# Altium PCB Layout.PcbDoc (part 2 of 2)
Units mm, origin at the board's own origin, x right, y up, seen from the top; angles counter-clockwise.
Board outline 32 x 36 mm, 6 copper layers (Top Layer, Int1 (GND), Int2 (Sign), Int3 (Sign), Int4 (PWR), Bottom Layer), stack 1.551 mm thick; 100 components, 117 nets, 484 pads, 392 vias.
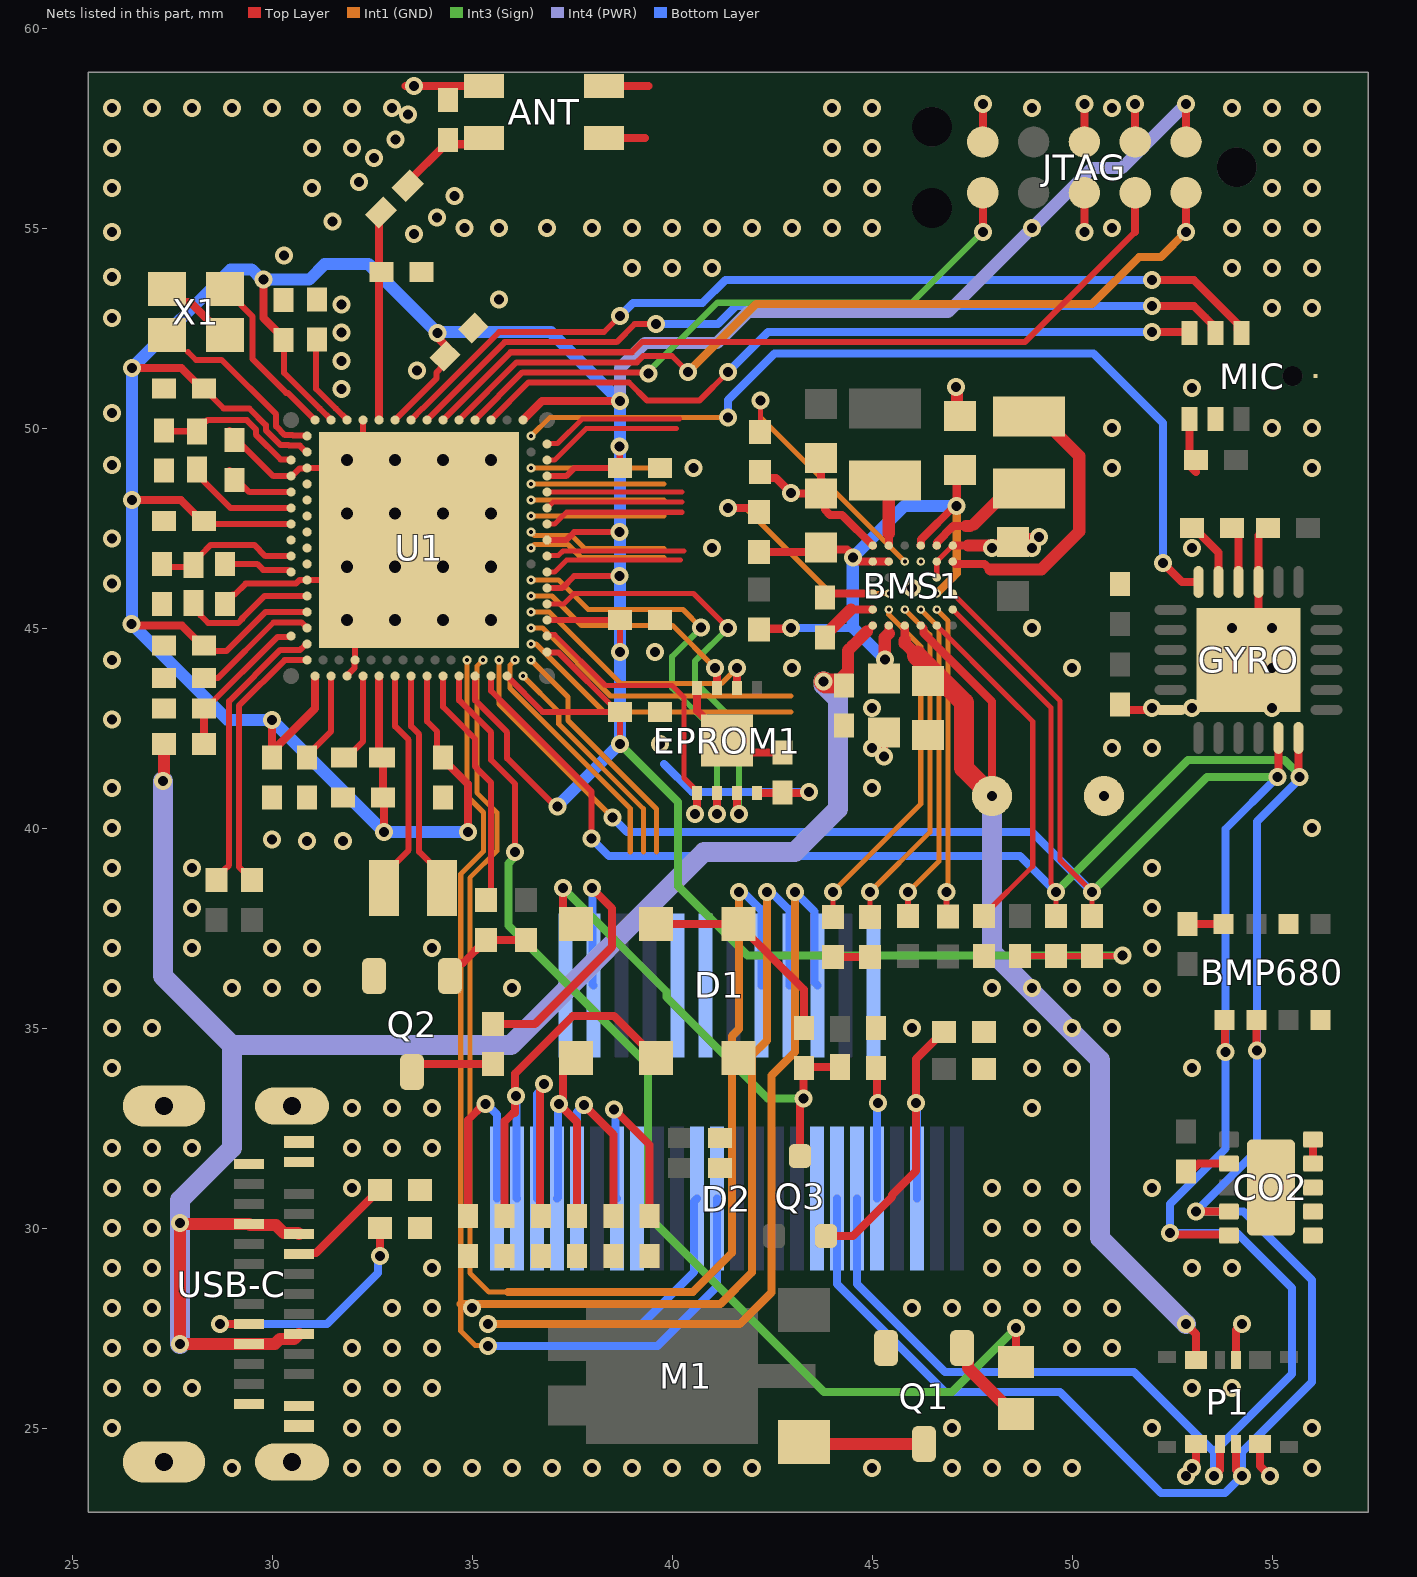
[diagram p6: the nets of this part, all layers, seen from the top]

## Via types
v1: diameter 0.45, hole 0.25, Top Layer to Bottom Layer, tented both sides, 343 vias
v2: diameter 0.2, hole 0.1, Top Layer to Int1 (GND), tented both sides, 33 vias
v3: diameter 0.61, hole 0.305, Top Layer to Bottom Layer, tented both sides, 16 vias

## Nets (pads, with @x,y where several pads share a name; then routed paths per layer and width w, separated by ;. In a path a pad name is that pad's centre, name@x,y a point inside that pad or via, vN(x,y) a via of type N, cw(c..) or ccw(c..) an arc to the next point about the centre after c; other vN are vias at no path point) (continued)
GND: ANT.2 BMP680.1 BMP680.5 BMP680.7 BMS1.A1 BMS1.B2 BMS1.B3 BMS1.F1 BMS1.F4 C1.1 C2.1 C3.1 C4.1 C5.1 C6.1 C7.1 C8.1 C9.1 C10.1 C11.1 C12.1 C13.1 C14.1 C15.1 C16.1 C17.1 C18.1 C19.1 C20.1 C21.1 C22.2 C23.2 C24.2 C25.1 C26.2 C27.2 C28.1 C29.2 C30.2 C31.1 C32.1 C33.1 C34.1 C35.1 C36.1 C37.1 C38.1 C40.2 C41.2 C42.1 C43.2 C60.1 C61.2 C62.1 C63.2 CO2.1 CO2.7 CO2.11 D1.1 D1.5 D1.6 D1.12 D2.8 D2.17 D4.2 EPROM1.4 GND.1 GYRO.9 GYRO.11 GYRO.18 GYRO.25 JTAG.3 JTAG.5 JTAG.9 MIC.1 MIC.2 MIC.4 P1.1 P1.4 Q1.3 Q2.3 R2.2 R5.1 R11.2 R16.2 R17.2 R19.1 R20.1 R22.2 U1.104 U1.A25 U1.B12 U1.B26 U1.G1 U1.H2 U1.J31 USB-C.A1 USB-C.A12 USB-C.B1 USB-C.B12 USB-C.G1 USB-C.G2 USB-C.S1 USB-C.S2 USB-C.S3 USB-C.S4 X1.2 X1.4 | length 50.7
  Top Layer w0.127: BMS1.B3@46.619,46.261 BMS1.B2@46.619,46.661 BMS1.A1@47.019,47.061
  Top Layer w0.152: C4.1@28.829,45.601 28.829,45.651 29.015,45.838 29.065,45.838 29.338,46.11 30.597,46.11 30.685,46.199 U1.B12@30.877,46.199 U1.104@32.677,46.199 ; C3.1@28.94,49.944 28.94,49.894 29.249,49.584 30.034,48.799 U1.A25@30.477,48.799 30.497,48.799 30.683,48.985 30.863,48.985 U1.B26@30.877,48.999 31.877,48.999 U1.104@32.277,48.599 ; U1.G1@31.877,43.799 31.877,43.819 32.063,44.005 32.063,44.185 U1.H2@32.077,44.199 32.077,45.599 U1.104@32.677,46.199 ; U1.J31@32.277,50.199 U1.104@32.277,48.599 ; U1.104@32.277,48.599 U1.104@33.677,47.199 U1.104@32.677,46.199
  Top Layer w0.2: X1.2@27.375,53.475 27.7,53.15 27.95,53.15 28.775,52.325 X1.4@28.825,52.325 ; v1@33.343,58.55 ANT.2@35.3,58.55 ; ANT.2@38.3,57.25 39.323,57.25 ; ANT.2@38.3,58.55 39.418,58.55 ; EPROM1.4@40.628,43.497 40.628,42.935 EPROM1.4@41.378,42.185 41.671,41.892 C60.1@42.757,41.892 ; R11.2@42.2,48.9 42.351,48.749 42.603,48.749 v1(42.974,48.378) 42.995,48.357 C32.1@43.729,48.357 C31.1@43.729,49.255 ; C37.1@43.819,45.761 43.919,45.861 BMS1.F4@45.019,45.861 ; 43.819,47.961 43.952,47.829 44.252,47.829 BMS1.F1@45.019,47.061 ; R17.2@44.021,36.771 R16.2@44.952,36.771 ; C36.1@45.294,42.561 C36.1@45.294,42.386 45.294,41.792 v1(45.304,41.782) ; BMS1.A1@47.019,47.061 47.404,47.061 ; JTAG.9@47.77,57.151 v1(47.77,58.1) ; C33.1@48.516,46.984 48.811,47.279 v1(49.174,47.279) ; JTAG.5@50.31,57.151 v1(50.31,58.1) ; C61.2@51.2,43.084 51.331,42.953 GYRO.18@52.464,42.953 ; JTAG.3@51.58,57.151 v1(51.58,58.1) ; v1(52.85,23.8) 53.1,24.05 P1.1@53.1,24.6 ; MIC.1@52.937,50.225 52.937,49.063 53.1,48.9 ; C28.1@53,31.397 53,31.447 53.166,31.613 CO2.7@53.924,31.613 ; C30.2@53,37.6 BMP680.5@53.793,37.6 ; C63.2@53,47.5 53.05,47.5 53.664,46.886 GYRO.11@53.664,46.153 ; GYRO.25@54.414,44.203 54.664,44.453 GYRO.9@54.664,46.153 54.664,47.314 54.85,47.5 C62.1@54.9,47.5 ; P1.4@54.7,24.6 54.7,24.05 v1(54.95,23.8)
  Top Layer w0.3: v1(47.098,51.029) 47.127,51 47.127,50.375 C34.1@47.198,50.304 ; 47.404,47.061 48.459,47.061 C33.1@48.554,47.157
  other v1: 29,24 32,24 33,24 34,24 35,24 36,24 37,24 38,24 39,24 40,24 41,24 42,24 45,24 47,24 48,24 49,24 50,24 53,24 56,24 26,25 32,25 33,25 47,25 52,25 56,25 26,26 27,26 28,26 32,26 33,26 34,26 53,26 54,26 26,27 27,27 32,27 33,27 34,27 50,27 51,27 26,28 27,28 33,28 34,28 35,28 46,28 47,28 48,28 49,28 50,28 51,28 26,29 27,29 34,29 48,29 49,29 50,29 53,29 54,29 26,30 27,30 48,30 49,30 50,30 26,31 27,31 32,31 48,31 49,31 50,31 52,31 26,32 27,32 28,32 32,32 33,32 34,32 32,33 33,33 34,33 49,33 26,34 49,34 50,34 53,34 26,35 27,35 46,35 49,35 50,35 51,35 26,36 29,36 30,36 31,36 36,36 48,36 49,36 50,36 51,36 52,36 26,37 28,37 30,37 31,37 34,37 52,37 26,38 28,38 52,38 26,39 28,39 52,39 30.877,39.678 31.777,39.681 30,39.716 26,40 56,40 50.8,40.8 26,41 45,41 45,42 51,42 52,42 39.7,42.103 26,42.707 45,43 52,43 53,43 55,43 43,44 50,44 55,44 26,44.199 39.573,44.399 49,45 54,45 55,45 46,46 26,46.11 41,47 48,47 49,47 53,47 26,47.241 40.542,48.999 51,49 56,49 26,49.071 51,50 55,50 56,50 26,50.376 31.735,50.976 53,51 33.619,51.436 31.735,51.68 31.735,52.384 26,52.748 55,53 56,53 31.735,53.088 35.678,53.21 26,53.773 39,54 40,54 41,54 54,54 55,54 56,54 30.3,54.319 33.552,54.848 26,54.9 34.818,55 35.678,55 36.877,55 38,55 39,55 40,55 41,55 42,55 43,55 44,55 45,55 49,55 51,55 54,55 55,55 56,55 31.508,55.163 34.125,55.257 34.568,55.804 26,56 31,56 44,56 45,56 55,56 56,56 32.177,56.154 32.555,56.748 26,57 31,57 32,57 44,57 45,57 55,57 56,57 33.087,57.209 33.398,57.84 26,58 27,58 28,58 29,58 30,58 31,58 32,58 33,58 44,58 45,58 49,58 51,58 54,58 55,58 56,58 33.552,58.55
  other v3: 31.877,45.199 33.077,45.199 34.277,45.199 35.477,45.199 31.877,46.532 33.077,46.532 34.277,46.532 35.477,46.532 31.877,47.866 33.077,47.866 34.277,47.866 35.477,47.866 31.877,49.199 33.077,49.199 34.277,49.199 35.477,49.199
ICS: BMS1.E5 R17.1 | length 8.9
  Top Layer w0.127: R17.1@44.021,37.771 v1(44.021,38.4)
  Int1 (GND) w0.127: v1(44.021,38.4) 46.219,40.599 46.219,44.537 45.419,45.337 v2(45.419,45.461)
ILIM: BMS1.D5 R16.1 | length 8.6
  Top Layer w0.127: R16.1@44.952,37.771 v1(44.952,38.4)
  Int1 (GND) w0.127: v1(44.952,38.4) 46.446,39.894 46.446,44.834 v2(45.819,45.461)
INT1: CO2.3
INT2: GYRO.12 U1.AK30 | length 22.2
  Top Layer w0.2: v1(52.274,46.628) 52.749,46.153 GYRO.12@53.164,46.153
  Int1 (GND) w0.127: v2(36.477,49.799) 36.942,50.264 v1(41.4,50.264)
  Bottom Layer w0.2: v1(41.4,50.264) 41.4,50.7 42.563,51.863 50.537,51.863 52.274,50.126 v1(52.274,46.628)
INT4: P1.6 | length 1
  Top Layer w0.2: P1.6@54.1,26.7 54.1,27.45 v1(54.25,27.6)
IPS_BACKLIGHT: R7.1 U1.W1 | length 6.1
  Top Layer w0.152: U1.W1@34.277,43.799 34.277,43.026 35.077,42.226 35.077,41.534 35.477,41.134 35.477,38.327 R7.1@35.35,38.2
IPS_CS: D1.8 U1.AD2 | length 34.8
  Int1 (GND) w0.127: v2(35.277,44.199) 35.122,44.044 35.122,40.885 35.623,40.383 35.623,39.432 34.945,38.753 34.945,28.875 35.42,28.4 35.9,28.4
  Int1 (GND) w0.2: 35.9,28.4 40.52,28.4 41.5,29.38 41.5,34.8 41.678,34.978 v1(41.678,38.4)
  Bottom Layer w0.2: v1(41.678,38.4) 41.777,38.4 42.202,37.975 42.231,37.975 42.238,37.968 D1.8@42.238,36.068
LRCLK: MIC.5 U1.R31 | length 22.8
  Top Layer w0.152: U1.R31@33.477,50.199 33.477,50.207 33.757,50.488 33.766,50.488 35.678,52.4 38.3,52.4 v1(38.7,52.8)
  Top Layer w0.2: v1(52,53.7) 53.045,53.7 54.137,52.608 54.137,52.475 MIC.5@54.237,52.375
  Bottom Layer w0.2: v1(38.7,52.8) 39.023,53.123 40.757,53.123 41.334,53.7 v1(52,53.7)
M\R\: BMS1.E4 R15.2 | length 5.7
  Top Layer w0.127: R15.2@42.079,48 R15.2@42.179,47.9
  Top Layer w0.2: v1(41.4,48) R15.2@42.079,48
  Int1 (GND) w0.127: v1(41.4,48) 41.834,48 43.973,45.861 v2(45.419,45.861)
Motor: R6.1 U1.AA1 | length 28.1
  Top Layer w0.152: U1.AA1@34.677,43.799 34.677,43.191 35.477,42.391 35.477,41.7 36.077,41.1 v1(36.077,39.404)
  Top Layer w0.2: R6.1@48.6,26.65 v1(48.6,27.5)
  Int3 (Sign) w0.2: v1(36.077,39.404) 36.029,39.356 36.029,39.232 35.912,39.114 35.912,37.563 39.4,34.075 39.4,30.3 43.8,25.9 47,25.9 v1(48.6,27.5)
NetANT_1: ANT.1 C21.2 L4.1 | length 2.3
  Top Layer w0.203: L4.1@33.451,56.205 34.247,57.002 34.252,57.002 34.338,57.088 34.338,57.093 35.252,57.093 ANT.1@35.315,57.155
NetBMS1_D2: BMS1.D2 R11.1 | length 6.3
  Top Layer w0.127: R11.1@42.2,49.9 42.217,49.917 v1(42.217,50.686)
  Int1 (GND) w0.127: v1(42.217,50.686) 42.217,50.264 v2(45.819,46.661)
NetC1_2: C1.2 R1.1 U1.A5 | length 3.8
  Top Layer w0.152: C1.2@28.3,42.989 28.35,42.989 30.141,44.78 30.439,44.78 30.457,44.799 U1.A5@30.477,44.799
  Top Layer w0.2: R1.1@28.3,42.1 C1.2@28.3,42.989
NetC2_2: C2.2 U1.B6 | length 3.3
  Top Layer w0.152: C2.2@28.218,43.751 28.651,43.751 30.037,45.138 30.738,45.138 U1.B6@30.877,44.999
NetC3_2: C3.2 U1.A23 | length 1.8
  Top Layer w0.152: C3.2@28.94,48.944 28.94,48.894 29.434,48.399 U1.A23@30.477,48.399
NetC4_2: C4.2 U1.A13 | length 1.7
  Top Layer w0.152: C4.2@28.829,46.601 29.629,46.601 29.779,46.451 30.405,46.451 30.457,46.399 U1.A13@30.477,46.399
NetC6_2: C6.2 L1.1 U1.A27 | length 3.8
  Top Layer w0.152: C6.2@27.3,49.944 27.325,49.919 L1.1@28.12,49.919 28.12,49.994 28.294,50.167 28.354,50.167 28.383,50.196 29.368,50.196 29.596,49.968 29.596,49.834 30.217,49.213 30.463,49.213 U1.A27@30.477,49.199
NetC7_2: C7.2 U1.G31 | length 2.4
  Top Layer w0.152: C7.2@31.1,52.24 31.1,50.982 31.595,50.488 31.597,50.488 31.877,50.207 U1.G31@31.877,50.199
NetC9_2: C9.2 L2.1 U1.A15 | length 3.6
  Top Layer w0.152: C9.2@27.247,46.522 28.034,46.522 28.034,46.647 28.212,46.825 28.464,47.077 29.555,47.077 29.834,46.799 U1.A15@30.477,46.799
NetC11_2: C11.2 U1.E1 | length 2.3
  Top Layer w0.152: C11.2@30.877,41.767 30.877,41.817 31.477,42.417 U1.E1@31.477,43.799
NetC20_2: C20.2 L4.2 U1.L31 | length 5.2
  Top Layer w0.203: U1.L31@32.677,50.199 C20.2@32.677,53.9 ; L4.2@32.724,55.387 32.671,55.334 32.671,53.965 C20.2@32.736,53.9
NetC23_1: C23.1 D2.18 | length 5.3
  Top Layer w0.2: v1(38.55,32.968) 39.443,32.076 C23.1@39.443,30.3
  Bottom Layer w0.2: v1(38.55,32.968) 38.587,32.931 38.587,30.771 D2.18@38.624,30.734
NetC24_1: C24.1 D2.20 | length 5.5
  Top Layer w0.2: v1(37.8,33.076) 38.535,32.341 C24.1@38.535,30.3
  Bottom Layer w0.2: D2.20@37.624,30.734 37.624,32.9 v1(37.8,33.076)
NetC26_1: C26.1 D2.22 | length 6.3
  Top Layer w0.2: C26.1@36.72,30.3 36.696,30.324 36.696,33.429 36.8,33.532 v1(36.8,33.6)
  Bottom Layer w0.2: D2.22@36.624,30.734 36.624,33.356 36.8,33.532 v1(36.8,33.6)
NetC29_1: C29.1 D2.24 | length 5.5
  Top Layer w0.2: C29.1@34.905,30.3 34.905,32.705 35.3,33.1 v1(35.333,33.1)
  Bottom Layer w0.2: v1(35.333,33.1) 35.358,33.1 35.624,32.834 D2.24@35.624,30.734
NetC39_1: C39.1 D3.2 D4.1 | length 5.3
  Top Layer w0.2: D3.2@39.6,37.6 D4.1@41.657,37.6 43.3,35.957 C39.1@43.3,35
NetC39_2: C39.2 D5.1 L7.2 Q3.3 | length 12.5
  Top Layer w0.2: v1(37.275,38.5) 37.275,37.925 D5.1@37.6,37.6 ; Q3.3@43.2,31.8 43.2,33.156 v1(43.284,33.24) 43.292,33.248 43.292,33.992 C39.2@43.3,34 43.325,34.025 L7.2@44.2,34.025
  Int3 (Sign) w0.2: v1(37.275,38.5) 39.858,35.917 39.858,35.775 42.392,33.24 v1(43.284,33.24)
NetC42_2: C42.2 D2.5 | length 3.3
  Top Layer w0.2: C42.2@45.1,34 45.122,33.978 45.122,33.152 v1(45.144,33.13)
  Bottom Layer w0.2: D2.5@45.124,30.734 45.124,33.111 v1(45.144,33.13)
NetC63_1: C63.1 GYRO.10 | length 1.4
  Top Layer w0.2: C63.1@54,47.5 54.014,47.5 54.164,47.35 GYRO.10@54.164,46.153
NetCO2_4: CO2.4 CO2.5 | length 0.6
  Top Layer w0.2: CO2.4@56.024,31.613 CO2.5@56.024,32.213
NetD1_2: D1.2 R18.2 | length 7.9
  Top Layer w0.2: R18.2@35.524,35.1 36.575,35.1 38.5,37.025 38.5,37.994 v1(37.994,38.5)
  Bottom Layer w0.2: v1(37.994,38.5) 38.016,38.478 38.016,36.09 D1.2@38.038,36.068
NetL1_2: L1.2 U1.A21 | length 2.8
  Top Layer w0.152: L1.2@28.12,48.969 28.294,48.795 28.294,48.672 28.966,47.999 U1.A21@30.477,47.999
NetL2_2: L2.2 U1.B10 | length 3.4
  Top Layer w0.152: L2.2@28.034,45.572 28.212,45.395 28.212,45.32 28.407,45.125 29.152,45.125 29.255,45.228 29.255,45.246 29.808,45.799 U1.B10@30.877,45.799
NetL3_1: L3.1 U1.J1 | length 2.3
  Top Layer w0.152: L3.1@31.802,41.767 31.877,41.767 32.277,42.167 U1.J1@32.277,43.799
NetM1_1: M1.1 Q1.2 | length 3
  Top Layer w0.3: M1.1@43.3,24.65 43.35,24.6 Q1.2@46.3,24.6
NetQ1_1: Q1.1 R6.2 | length 2.2
  Top Layer w0.3: Q1.1@47.25,27 47.4,26.85 47.4,26.5 48.3,25.6 48.35,25.6 R6.2@48.6,25.35
NetQ2_1: Q2.1 R7.2 R21.2 | length 2.3
  Top Layer w0.2: Q2.1@34.45,36.3 34.45,36.423 34.646,36.619 34.769,36.619 R7.2@35.35,37.2 R21.2@36.35,37.2
NetQ2_2: Q2.2 R18.1 | length 2.1
  Top Layer w0.2: Q2.2@33.5,33.9 33.5,33.904 33.696,34.1 R18.1@35.524,34.1
NetR2_1: R2.1 USB-C.B5 | length 6.3
  Top Layer w0.2: v1(28.7,27.6) USB-C.B5@29.425,27.6 ; v1(32.7,29.3) R2.1@32.7,30
  Bottom Layer w0.2: v1(28.7,27.6) 31.376,27.6 32.652,28.876 32.652,29.252 v1(32.7,29.3)
NetR5_2: R5.2 USB-C.A5 | length 2.7
  Top Layer w0.2: USB-C.A5@30.675,29.35 30.7,29.375 31.1,29.375 32.675,30.95 R5.2@32.7,30.95
NetU1_B30: U1.B30 X1.3 | length 4
  Top Layer w0.152: 27.9,51.9 28.1,51.7 28.742,51.7 30.101,50.341 30.101,50.043 30.321,49.823 30.516,49.823 30.526,49.813 30.863,49.813 U1.B30@30.877,49.799
NetU1_C31: U1.C31 X1.1 | length 4.3
  Top Layer w0.152: X1.1@28.825,53.475 28.875,53.475 29.224,53.126 29.224,53.076 29.514,52.786 29.514,51.721 30.357,50.878 30.398,50.878 U1.C31@31.077,50.199
NetU1_N1: U1.N1 X2.2 | length 5.4
  Top Layer w0.152: X2.2@32.752,38.784 33.415,39.446 33.415,42.203 33.077,42.54 U1.N1@33.077,43.799
NetU1_R1: U1.R1 X2.1 | length 5.6
  Top Layer w0.152: U1.R1@33.477,43.799 33.477,42.54 33.677,42.34 33.677,39.404 33.951,39.13 33.951,38.751 X2.1@34.202,38.5
P0.08: U1.AH2 | length 6.1
  Int1 (GND) w0.127: v2(36.077,44.199) 35.95,44.072 35.95,43.496 38.957,40.489 38.957,39.4
P0.09: U1.AJ1 | length 5.6
  Int1 (GND) w0.127: v2(36.277,43.799) 37.169,42.907 37.169,42.598 39.284,40.483 39.284,39.4
P0.10: U1.AK2 | length 6.1
  Int1 (GND) w0.127: v2(36.477,44.199) 37.4,43.276 37.4,42.688 39.611,40.477 39.611,39.4
P0.11: U1.AK4 | length 7.2
  Int1 (GND) w0.127: v2(36.477,44.599) 36.6,44.599 38.299,42.9 42.974,42.9
P0.12: U1.AK6 | length 7.2
  Int1 (GND) w0.127: v2(36.477,44.999) 36.766,44.999 38.465,43.3 42.974,43.3
P0.19: U1.AL13 | length 3.5
  Top Layer w0.127: U1.AL13@36.877,46.399 37.066,46.399 37.367,46.7 40.205,46.7
P0.20: U1.AK16 | length 3.5
  Int1 (GND) w0.127: v2(36.477,46.999) 36.563,47.086 37.4,47.086 37.724,46.761 39.8,46.761
P0.21: U1.AL15 | length 3.5
  Top Layer w0.127: U1.AL15@36.877,46.799 36.896,46.818 37.163,46.818 37.273,46.927 40.299,46.927
P0.22: U1.AK18 | length 3.5
  Int1 (GND) w0.127: v2(36.477,47.399) 36.563,47.313 37.494,47.313 37.818,46.988 39.8,46.988
P0.23: U1.AK20 | length 3.3
  Int1 (GND) w0.127: v2(36.477,47.799) 39.8,47.799
P0.24: U1.AL27 | length 3.6
  Top Layer w0.127: U1.AL27@36.877,49.199 37.066,49.199 37.854,49.987 40.108,49.987
P0.26: U1.AL29 | length 3.6
  Top Layer w0.127: U1.AL29@36.877,49.599 36.891,49.613 37.123,49.613 ; 37.139,49.612 37.754,50.227 40.189,50.227
P0.30: U1.B24
P0.31: U1.B22
P1.04: U1.AL19 | length 3.5
  Top Layer w0.127: U1.AL19@36.877,47.599 37.066,47.599 37.361,47.894 40.255,47.894
P1.05: U1.AK22 | length 3.3
  Int1 (GND) w0.127: v2(36.477,48.199) 39.8,48.199
P1.06: U1.AL21 | length 3.4
  Top Layer w0.127: U1.AL21@36.877,47.999 37.025,48.147 40.255,48.147
P1.07: U1.AK24 | length 3.3
  Int1 (GND) w0.127: v2(36.477,48.599) 39.8,48.599
P1.08: U1.AL23 | length 3.4
  Top Layer w0.127: U1.AL23@36.877,48.399 37.066,48.399 40.255,48.399
P1.09: U1.AK26 | length 3.3
  Int1 (GND) w0.127: v2(36.477,48.999) 39.8,48.999
P1.11: U1.B20
P1.12: U1.B18
P1.13: U1.A17
P1.14: U1.B16
P1.15: U1.B14
PGOOD1: BMS1.B5 R12.2 | length 7.8
  Top Layer w0.152: R12.2@46.86,37.971 v1(46.86,38.4) v1@46.86,38.549
  Int1 (GND) w0.127: v2(46.619,45.461) 46.9,45.18 46.9,38.44 v1(46.86,38.4)
PGOOD2: BMS1.C5 R13.2 | length 8.2
  Top Layer w0.152: R13.2@45.9,37.944 v1@45.9,38.544 ; v1@45.9,38.549 v1@45.9,38.544 ; v1@45.905,38.549 v1@45.9,38.544
  Int1 (GND) w0.127: v1(45.905,38.4) 46.673,39.168 46.673,45.007 v2(46.219,45.461)
PREVGH: C40.1 D2.21 D5.2 | length 6.7
  Top Layer w0.2: D5.2@37.6,34.25 37.275,33.925 37.275,33.267 37.175,33.168 v1(37.175,33.1) 37.628,32.648 C40.1@37.628,30.3
  Bottom Layer w0.2: D2.21@37.124,30.734 37.15,30.76 37.15,33.074 v1(37.175,33.1)
PREVGL: C27.1 D2.23 D3.1 | length 10.8
  Top Layer w0.2: C27.1@35.812,30.3 35.812,32.671 35.822,32.671 36.022,32.87 36.074,32.87 ; 36.074,32.932 36.074,33.274 v1(36.1,33.3) ; v1@36.074,33.246 36.074,33.516 36.075,33.517 36.075,33.858 37.517,35.3 38.55,35.3 D3.1@39.6,34.25
  Bottom Layer w0.2: v1(36.1,33.3) 36.112,33.288 36.112,30.746 D2.23@36.124,30.734
QSPI_DATA0: EPROM1.5 U1.AL5 | length 7.2
  Top Layer w0.127: U1.AL5@36.877,44.799 36.896,44.818 36.965,44.818 36.979,44.832 37.068,44.832 38.339,43.561 40,43.561 40.299,43.262 40.299,41.251 40.628,40.922 EPROM1.5@40.628,40.872
  Top Layer w0.2: v1(40.578,40.35) 40.628,40.4 EPROM1.5@40.628,40.872
QSPI_DATA1: EPROM1.2 U1.AK8 | length 6.6
  Top Layer w0.2: EPROM1.2@41.628,43.497 v1(41.628,44)
  Int1 (GND) w0.127: v2(36.477,45.399) 36.931,45.399 38.719,43.612 41.239,43.612 v1(41.628,44)
QSPI_DATA2: EPROM1.3 U1.AK10 | length 5.9
  Top Layer w0.2: v1(41.078,44) 41.128,43.95 EPROM1.3@41.128,43.497
  Int1 (GND) w0.127: v2(36.477,45.799) 37,45.799 37.738,45.061 40.016,45.061 v1(41.078,44)
QSPI_DATA3: EPROM1.7 U1.AL9 | length 11
  Top Layer w0.127: U1.AL9@36.877,45.599 37.292,45.599 37.554,45.861 40.538,45.861 v1(41.4,44.999)
  Top Layer w0.2: EPROM1.7@41.628,40.872 41.628,40.4 v1(41.678,40.35)
  Int3 (Sign) w0.152: v1(41.4,44.999) 40.578,44.177 40.578,43.641 41.678,42.541 v1(41.678,40.35)
QSPI_SCK: EPROM1.6 U1.AK12 | length 10.7
  Top Layer w0.2: v1(41.128,40.35) EPROM1.6@41.128,40.872
  Int3 (Sign) w0.152: v1(40.726,45.008) 40,44.282 40,43.5 41.128,42.372 v1(41.128,40.35)
  Int1 (GND) w0.127: v2(36.477,46.199) 37.166,46.199 37.903,45.461 40.272,45.461 v1(40.726,45.008)
RESE: D2.3 Q3.2 R20.2 | length 9.1
  Top Layer w0.2: Q3.2@43.85,29.8 44.525,29.8 45.5,30.775 45.5,30.825 46.099,31.424 v1(46.099,33.13) ; v1(46.099,33.13) 46.099,34.224 46.775,34.9 R20.2@46.8,34.9
  Bottom Layer w0.2: D2.3@46.124,30.734 v1@46.124,33.105
  Bottom Layer w0.3: v1(46.099,33.13) v1@46.124,33.105
RESET: JTAG.10 U1.AC31 | length 15.7
  Top Layer w0.152: U1.AC31@35.077,50.199 35.077,50.207 36.26,51.39 39.376,51.39 v1(39.406,51.36)
  Top Layer w0.2: v1(47.77,54.905) JTAG.10@47.77,55.881
  Int3 (Sign) w0.152: v1(39.406,51.36) 39.406,51.406 41.133,53.133 45.997,53.133 v1(47.77,54.905)
RST: CO2.2
SCK: MIC.6 U1.U31 | length 21.6
  Top Layer w0.152: U1.U31@33.877,50.199 33.877,50.207 35.817,52.148 38.615,52.148 39.067,52.6 v1(39.6,52.6)
  Top Layer w0.2: v1(52,53.05) 53.045,53.05 53.337,52.758 53.487,52.608 53.487,52.475 MIC.6@53.587,52.375
  Bottom Layer w0.2: v1(39.6,52.6) 41.153,52.6 ; 41.377,52.823 41.153,52.6 ; v1(52,53.05) 41.603,53.05 41.153,52.6
SCL: BMP680.4 BMS1.A4 CO2.10 D2.6 GYRO.23 P1.2 R8.2 U1.AF2 | length 71.7
  Top Layer w0.127: BMS1.A4@47.019,45.861 49.7,43.18 49.7,39.2 v1(50.5,38.4) ; R8.2@50.5,37.8 v1@50.5,38.244
  Top Layer w0.2: v1(52.448,29.874) 52.478,29.843 53.894,29.843 CO2.10@53.924,29.813 ; v1(53.55,23.8) 53.7,23.95 P1.2@53.7,24.6 ; BMP680.4@53.813,35.2 53.827,35.186 53.827,34.411 v1(53.841,34.397) ; v1(55.139,41.279) 55.164,41.304 GYRO.23@55.164,42.253
  Int3 (Sign) w0.2: v1(50.5,38.4) 53.378,41.279 v1(55.139,41.279)
  Int1 (GND) w0.127: v2(35.677,44.199) 35.677,43.096 v1(38.511,40.262)
  Bottom Layer w0.2: v1(38.511,40.262) 38.873,39.9 49,39.9 v1(50.5,38.4) ; D2.6@44.624,30.734 44.624,28.6 46.824,26.4 51.55,26.4 53.55,24.4 ; v1(53.55,23.8) 53.55,24.4 ; v1(55.139,41.279) 53.841,39.981 v1(53.841,34.397) 53.841,31.991 52.448,30.598 v1(52.448,29.874) 54.126,29.874 55.5,28.5 55.5,26.35 53.55,24.4
SCLK: D1.9 D2.13 U1.AB2 | length 46.5
  Int1 (GND) w0.127: v2(34.877,44.199) 34.877,40.801 35.288,40.389 35.288,39.418 34.718,38.847 34.718,28.1 34.718,27.427 35.081,27.064 35.386,27.064 v1(35.4,27.05)
  Int1 (GND) w0.2: 34.718,28.1 41.21,28.1 41.995,28.885 41.995,34.305 42.378,34.688 v1(42.378,38.4)
  Bottom Layer w0.2: v1(35.4,27.05) 39.64,27.05 41.124,28.534 D2.13@41.124,30.734 ; v1(42.378,38.4) 42.477,38.4 42.902,37.975 42.931,37.975 42.938,37.968 D1.9@42.938,36.068
SDA: BMP680.3 BMS1.A5 CO2.9 D2.7 GYRO.24 P1.3 R9.2 U1.AE1 | length 72.8
  Top Layer w0.127: BMS1.A5@47.019,45.461 49.473,43.007 49.473,38.615 49.6,38.488 v1(49.6,38.4) R9.2@49.6,37.8
  Top Layer w0.152: U1.AE1@35.477,43.799 35.477,43.426 37.961,40.942 ; v1(37.988,39.732) 37.988,40.914
  Top Layer w0.2: v1(53.1,30.413) CO2.9@53.924,30.413 ; P1.3@54.1,24.6 54.1,23.95 v1(54.25,23.8) ; BMP680.3@54.613,35.2 54.613,34.454 v1(54.624,34.443) ; GYRO.24@55.664,42.253 55.664,41.304 v1(55.689,41.279)
  Int3 (Sign) w0.2: v1(49.6,38.4) 52.903,41.704 55.315,41.704 55.689,41.33 v1(55.689,41.279)
  Bottom Layer w0.2: v1(37.988,39.732) 38.421,39.3 48.7,39.3 v1(49.6,38.4) ; D2.7@44.124,30.734 44.124,28.6 46.824,25.9 49.7,25.9 52.225,23.375 53.825,23.375 v1(54.25,23.8) 54.25,24.4 56,26.15 56,28.7 54.287,30.413 v1(53.1,30.413) 54.624,31.937 v1(54.624,34.443) 54.624,40.163 55.689,41.228 v1(55.689,41.279)
SDI: D1.10 D2.14 | length 27.8
  Int1 (GND) w0.2: v1(35.4,27.6) 41.7,27.6 42.49,28.39 42.49,33.81 43.078,34.398 v1(43.078,38.4)
  Bottom Layer w0.2: v1(35.4,27.6) 39.248,27.6 40.549,28.901 40.549,30.659 D2.14@40.624,30.734 ; v1(43.078,38.4) 43.563,37.915 43.563,36.143 D1.10@43.638,36.068
SDOUT: MIC.7 U1.AE31 | length 18.8
  Top Layer w0.152: U1.AE31@35.477,50.199 35.477,50.207 36.408,51.138 38.924,51.138 39.376,50.686 40.686,50.686 v1(41.4,51.4)
  Top Layer w0.2: v1(52,52.4) 52.837,52.4 52.862,52.375 MIC.7@52.937,52.375
  Bottom Layer w0.2: v1(41.4,51.4) 42.4,52.4 v1(52,52.4)
STP: BMS1.C2
  other v2: 46.219,46.661
SW1: BMS1.E1 L5.1 | length 1.7
  Top Layer w0.2: BMS1.E1@45.419,47.061 45.419,47.361
  Top Layer w0.305: 45.419,47.361 L5.1@45.419,48.761
SW2A: BMS1.B1 L6.1 | length 2.7
  Top Layer w0.203: BMS1.B1@46.619,47.061 46.62,47.063 46.62,47.139 47.029,47.547 47.353,47.547
  Top Layer w0.305: 47.353,47.547 47.448,47.547 ; 47.545,47.588 48.419,48.461 L6.1@48.819,48.461
SW2B: BMS1.A2 L6.2 | length 6.9
  Top Layer w0.203: BMS1.A2@47.019,46.661 47.021,46.661 47.084,46.598 47.809,46.598 47.956,46.452
  Top Layer w0.305: 47.968,46.464 49.233,46.464 50.179,47.41 50.179,49.301 L6.2@49.219,50.261
SWDCLK: JTAG.4 U1.W31 | length 20.2
  Top Layer w0.152: U1.W31@34.277,50.199 34.277,50.207 35.965,51.895 38.995,51.895 39.248,52.148 48.822,52.148 51.58,54.905
  Top Layer w0.2: 51.58,54.905 JTAG.4@51.58,55.881
SWDIO: JTAG.2 U1.AA31 | length 21.4
  Top Layer w0.152: U1.AA31@34.677,50.199 34.677,50.207 36.113,51.643 39.122,51.643 39.279,51.8 40,51.8 v1(40.4,51.4)
  Top Layer w0.2: v1(52.85,54.905) JTAG.2@52.85,55.881
  Int1 (GND) w0.2: v1(40.4,51.4) 42.1,53.1 50.5,53.1 51.679,54.279 52.223,54.279 v1(52.85,54.905)
SWO: JTAG.6 | length 1
  Top Layer w0.2: v1(50.31,54.905) JTAG.6@50.31,55.881
THR: BMS1.B6 R22.1 | length 8.8
  Top Layer w0.127: BMS1.B6@46.619,45.061 48.352,43.328 49.019,42.661 49.019,39.044 47.8,37.825 R22.1@47.8,37.8
USB_N: R4.2 U1.B4 | length 7.1
  Top Layer w0.152: R4.2@28.611,38.731 28.617,38.731 28.809,38.924 28.809,38.955 28.927,39.072 28.927,43.169 30.21,44.451 30.703,44.451 30.814,44.563 30.821,44.563 30.857,44.599 U1.B4@30.877,44.599
USB_P: R3.2 U1.B2 | length 6.7
  Top Layer w0.152: R3.2@29.5,38.7 29.5,38.725 29.301,38.924 29.276,38.924 29.179,39.021 29.179,43.064 30.314,44.199 U1.B2@30.877,44.199
VBAT: BMS1.C6 BMS1.D6 C35.2 P1.8 VBAT.1 | length 26.4
  Top Layer w0.2: BMS1.C6@46.219,45.061 46.219,45.059 46.284,44.994 46.284,44.878 48,43.162 VBAT.1@48,40.816 ; v1(52.85,27.6) 53.1,27.35 P1.8@53.1,26.7
  Top Layer w0.203: 45.819,44.686 BMS1.D6@45.819,45.061
  Top Layer w0.305: 45.819,44.686 45.819,44.616 46.121,44.314
  Top Layer w0.5: 46.121,44.314 46.624,43.811 47.3,43.135 47.3,41.5 v1(48,40.8)
  Int4 (PWR) w0.5: v1(48,40.8) 48,36.9 50.7,34.2 50.7,29.75 v1(52.85,27.6)
VDD: BMS1.F5 C37.2 | length 1.5
  Top Layer w0.203: C37.2@43.819,44.761 C37.2@43.819,44.811 ; 44.469,45.461 BMS1.F5@45.019,45.461
  Top Layer w0.3: C37.2@43.819,44.811 44.469,45.461
VDD_nRF: C5.2 C8.2 C10.2 C12.2 C13.2 C14.2 C15.2 C16.2 C17.2 C18.2 C19.2 C60.2 EPROM1.8 JTAG.1 L3.2 R8.1 R9.1 R10.1 U1.A19 U1.AC1 U1.AG1 U1.AJ31 U1.AL3 U1.AL7 U1.AL11 U1.AL17 U1.AL25 U1.B8 U1.B28 U1.C1 U1.E31 U1.L1 U1.N31 U1.U1 | length 140.4
  Top Layer w0.152: C8.2@28.183,44.428 28.863,44.428 29.834,45.399 U1.B8@30.877,45.399 ; C8.2@28.25,44.557 C8.2@28.3,44.557 ; C13.2@28.25,50.982 C13.2@28.3,50.982 28.794,50.488 29.433,50.488 29.848,50.072 29.848,49.939 30.217,49.57 30.411,49.57 30.421,49.56 30.696,49.56 30.857,49.399 U1.B28@30.877,49.399 ; C5.2@28.3,47.67 28.37,47.599 U1.A19@30.477,47.599 ; C17.2@30.289,52.199 C17.2@30.289,52.249 ; C17.2@30.3,52.199 30.3,51.376 31.188,50.488 31.197,50.488 31.477,50.207 U1.E31@31.477,50.199 ; U1.N31@33.077,50.199 33.077,50.207 34.114,51.244 34.114,51.392 34.261,51.54 34.261,51.636 C14.2@34.114,51.783 ; U1.U1@33.877,43.799 33.877,42.663 34.125,42.415 34.125,41.952 C12.2@34.277,41.8 ; U1.AC1@35.077,43.799 35.077,43.191 35.877,42.391 35.877,41.742 37.076,40.543 v1(37.132,40.543) ; U1.AG1@35.877,43.799 35.877,43.791 36.768,42.9 C16.2@38.65,42.9 ; U1.AL3@36.877,44.399 36.891,44.385 37.165,44.385 C16.2@38.65,42.9 ; U1.AL7@36.877,45.199 C19.2@38.7,45.199 v1@38.7,44.399 ; U1.AL11@36.877,45.999 37.253,45.999 37.554,46.3 v1(38.683,46.3) ; U1.AL17@36.877,47.199 37.354,47.199 37.554,47.399 v1@38.482,47.399 ; U1.AL25@36.877,48.799 37.354,48.799 37.554,48.999 C15.2@38.7,48.999 38.693,49.006 v1(38.693,49.54) ; v1(38.696,42.103) 38.7,42.107 C16.2@38.7,42.9 C16.2@38.65,42.9 ; R10.1@48.7,36.8 R9.1@49.6,36.8 R8.1@50.5,36.8 51.246,36.8 v1(51.261,36.815)
  Top Layer w0.2: v1(26.493,45.1) 26.535,45.058 27.748,45.058 C8.2@28.25,44.557 ; v1(26.5,48.199) 27.72,48.199 28.25,47.67 C5.2@28.3,47.67 ; v1(26.5,51.5) 27.732,51.5 C13.2@28.25,50.982 ; v1(29.79,53.708) 29.79,52.748 C17.2@30.289,52.249 ; C18.2@29.853,41.767 C18.2@30,41.914 ; C18.2@30,41.767 C18.2@30,41.914 ; v1(30,42.7) C18.2@30,41.914 ; U1.C1@31.077,43.799 31.077,42.991 C18.2@30,41.914 ; U1.L1@32.677,43.799 32.677,41.842 L3.2@32.752,41.767 32.777,41.742 C10.2@32.777,40.767 32.8,40.744 v1(32.8,39.9) ; v1(34.138,52.376) 34.186,52.328 34.186,52.215 34.359,52.042 34.359,51.829 C14.2@34.323,51.794 ; C12.2@34.277,41.767 34.277,41.717 34.9,41.094 v1(34.9,39.9) ; U1.AJ31@36.277,50.199 36.751,50.673 v1(38.7,50.673) ; EPROM1.8@42.128,40.872 43.397,40.872 v1(43.42,40.895) ; JTAG.1@52.85,57.151 v1(52.85,58.1)
  Int3 (Sign) w0.2: v1(38.696,42.103) 40.153,40.647 40.153,38.547 41.885,36.815 v1(51.261,36.815)
  Int4 (PWR) w0.3: v1(38.7,50.673) 38.7,51.5 39.325,52.125 41.125,52.125 41.9,52.9 46.9,52.9 50.5,56.5 51.25,56.5 v1(52.85,58.1)
  Bottom Layer w0.2: 39.8,41.6 40.505,40.895 v1(43.42,40.895)
  Bottom Layer w0.3: v1(34.9,39.9) v1(32.8,39.9) v1(30,42.7) 28.893,42.7 v1(26.493,45.1) 26.496,45.104 26.496,51.496 v1(26.5,51.5) 28.965,53.965 29.493,53.965 29.75,53.708 30.926,53.708 31.318,54.1 32.414,54.1 v1(34.138,52.376) 34.162,52.4 36.973,52.4 v1(38.7,50.673) 38.698,50.671 38.698,49.54 38.698,47.399 38.698,46.3 v1(38.696,44.399) 38.698,42.105 v1(38.696,42.103) 38.694,42.103 37.134,40.543 v1@37.134,40.541
  other v1: 38.683,47.399
VSYS: BMS1.B4 BMS1.C1 BMS1.E2 BMS1.E6 BMS1.F2 C32.2 C34.2 C36.2 R14.1 R15.1 | length 17.5
  Top Layer w0.203: R15.1@42.179,46.9 43.758,46.9 43.819,46.961 44.374,46.961 44.672,46.663 BMS1.F2@45.019,46.661 BMS1.F2@45.019,46.661 BMS1.E2@45.419,46.661 ; R14.1@42.244,44.897 42.328,44.981 42.954,44.981 v1(42.974,45) ; 45.419,44.861 BMS1.E6@45.419,45.061 ; BMS1.C1@46.219,47.061 46.22,47.063 46.22,47.21 v1@47.092,48.082 ; v1(47.118,48.056) 47.118,48.696 C34.2@47.329,48.907
  Top Layer w0.305: C36.2@45.319,44.036 v1(45.319,44.218) 45.319,44.761 45.419,44.861
  Int1 (GND) w0.203: v2(46.619,45.861) 47.118,46.361 v1(47.118,48.056)
  Bottom Layer w0.203: v1(42.974,45) 44.501,45 44.519,45.018
  Bottom Layer w0.3: v1(44.519,46.761) 45.813,48.056 v1(47.118,48.056)
  Bottom Layer w0.305: v1(44.519,46.761) 44.519,45.018 v1(45.319,44.218)
VUSB: BMS1.F6 C38.2 R1.2 USB-C.A4 USB-C.A9 USB-C.B4 USB-C.B9 | length 48.7
  Top Layer w0.203: 44.867,44.91 BMS1.F6@45.019,45.061
  Top Layer w0.3: v1(27.274,41.181) 27.3,41.207 R1.2@27.3,42.1 ; v1(27.694,30.125) v1@27.697,30.122 ; USB-C.A9@30.675,27.35 30.55,27.225 30.196,27.225 30.071,27.1 v1(27.7,27.1) 27.697,27.103 v1@27.697,30.122 ; USB-C.A4@30.675,29.85 30.65,29.875 30.296,29.875 30.096,30.075 29.45,30.075 USB-C.B9@29.425,30.1 27.72,30.1 v1@27.697,30.122
  Top Layer w0.305: C38.2@44.144,43.664 44.396,43.916 44.396,44.438 44.517,44.559 44.867,44.91
  Top Layer w0.5: v1(43.787,43.664) 43.839,43.611 44.294,43.611 C38.2@44.294,43.561
  Int4 (PWR) w0.5: v1(27.274,41.181) 27.274,36.296 29,34.57 ; v1(27.7,27.1) 27.7,30.125 27.7,30.7 29,32 29,34.57 ; v1(43.787,43.664) 43.787,43.58 44.144,43.223 44.144,40.473 43.071,39.4 40.8,39.4 35.97,34.57 29,34.57
pads on no net: CO2.8 D2.1 D2.4 D2.19 GYRO.1 GYRO.2 GYRO.3 GYRO.4 GYRO.5 GYRO.6 GYRO.7 GYRO.14 GYRO.15 GYRO.16 GYRO.17 GYRO.19 GYRO.20 GYRO.21 GYRO.22 JTAG.0 JTAG.7 JTAG.8 M1.3 MIC.None P1.9 U1. U1.A1 U1.A31 U1.AG31 U1.AL1 U1.AL31 U1.D2 U1.F2 U1.K2 U1.T2 USB-C.A2 USB-C.A3 USB-C.A8 USB-C.A10 USB-C.A11 USB-C.B2 USB-C.B3 USB-C.B8 USB-C.B10 USB-C.B11

## Polygon pours and split planes (outlines as drawn)
GND on Bottom Layer "NONET_L-01_P-001" (solid, pour order 3): 25.4,58.9 57.4,58.9 57.4,22.9 25.4,22.9
VDD_nRF on Bottom Layer "NONET_L-01_P-001" (solid, pour order 0): 25.4,54.7 37.4,54.7 40.1,52 40.1,41.4 36.9,38.2 29.9,38.2 25.4,42.7
GND on Int1 (GND) "NONET_L-01_P-001" (solid, pour order 5): 25.4,58.9 57.4,58.9 57.4,22.9 25.4,22.9
GDR on Int2 (Sign) "NONET_L-01_P-001" (solid, pour order 7): 25.4,58.9 57.4,58.9 57.4,22.9 25.4,22.9
GND on Int2 (Sign) "NONET_L-01_P-001" (solid, pour order 6): 25.4,58.9 57.4,58.9 57.4,22.9 25.4,22.9
GND on Int4 (PWR) "NONET_L-01_P-001" (solid, pour order 2): 25.4,58.9 57.4,58.9 57.4,22.9 25.4,22.9
GND on Int3 (Sign) "NONET_L-01_P-001" (solid, pour order 4): 25.4,58.9 57.4,58.9 57.4,22.9 25.4,22.9
GND on Top Layer "NONET_L-01_P-001" (solid, pour order 1): 25.4,58.9 57.4,58.9 57.4,22.9 25.4,22.9

## Other copper
Top Layer:
  pour cut-out: 36.032,58.11 36.229,57.979 36.36,57.782 36.407,57.55 36.407,56.95 36.36,56.718 36.229,56.521 36.032,56.39 35.8,56.343 34.888,56.343 34.882,56.34 34.65,56.293 34.552,56.293 34.403,56.144 34.409,56.112 34.371,55.918 34.363,55.88 34.31,55.801 34.231,55.683 33.772,55.223 33.575,55.092 33.343,55.046 33.111,55.092 32.914,55.223 32.56,55.577 32.429,55.774 32.383,56.006 32.421,56.199 32.429,56.238 32.482,56.317 32.56,56.435 33.02,56.894 33.217,57.026 33.267,57.036 33.543,57.312 33.543,57.5 33.59,57.732 33.721,57.929 33.918,58.06 34.15,58.107 34.562,58.107 34.568,58.11 34.8,58.157 35.8,58.157
  pour cut-out: 33.009,56.354 33.206,56.222 33.56,55.869 33.691,55.672 33.737,55.44 33.699,55.246 33.691,55.208 33.638,55.129 33.56,55.011 33.388,54.839 33.388,54.63 33.465,54.579 33.596,54.382 33.642,54.15 33.642,53.65 33.596,53.418 33.465,53.221 33.394,53.173 33.394,50.258 33.396,50.245 33.405,50.199 33.396,50.153 33.387,50.107 33.359,49.967 33.324,49.881 33.192,49.684 32.995,49.552 32.909,49.517 32.739,49.483 32.677,49.471 32.615,49.483 32.445,49.517 32.359,49.552 32.162,49.684 32.03,49.881 31.995,49.967 31.967,50.107 31.958,50.153 31.949,50.199 31.958,50.245 31.96,50.258 31.96,53.291 31.875,53.418 31.829,53.65 31.829,54.15 31.875,54.382 31.955,54.5 31.955,54.839 31.889,54.905 31.757,55.102 31.711,55.334 31.749,55.528 31.757,55.566 31.81,55.645 31.889,55.763 32.348,56.222 32.545,56.354 32.777,56.4
Int2 (Sign):
  pour cut-out: 34.818,58.855 34.818,55.455 42.818,55.455 42.818,58.9
Int3 (Sign):
  pour cut-out: 34.818,58.855 34.818,55.455 42.818,55.455 42.818,58.9
Int1 (GND):
  pour cut-out: 34.818,58.855 34.818,55.455 42.818,55.455 42.818,58.9
Int4 (PWR):
  pour cut-out: 34.818,58.855 34.818,55.455 42.818,55.455 42.818,58.9
Bottom Layer:
  pour cut-out: 34.818,58.855 34.818,55.455 42.818,55.455 42.818,58.9

## Silkscreen, mask and mechanical layers (free items; w line width, h text height)
Top Solder:
  region: 2257 vertices and 0 holes, not listed, extent 26.902,54.657 30.035,57.478
Mechanical 1:
  circle w0.4: c70.231,79.756 r11
  lines w0.2: 25.4,22.9 57.4,22.9 57.4,58.9 25.4,58.9 25.4,22.9

## Text inside footprints (layer, text, board x,y; h text height)
U1: Mechanical 5 "AG1" at 35.917,43.458 h0.51 r90; Mechanical 5 "AJ1" at 36.317,43.458 h0.51 r90; Mechanical 5 "AH2" at 36.117,43.791 h0.51 r90; Mechanical 5 "AK4" at 36.716,44.491 h0.51 r90; Mechanical 5 "AL5" at 37.116,44.684 h0.51 r90; Mechanical 5 "AK2" at 36.69,44.091 h0.51 r90; Mechanical 5 "AL3" at 37.116,44.284 h0.51 r90; Mechanical 5 "V2" at 34.117,43.871 h0.51 r90; Mechanical 5 "Y2" at 34.517,43.871 h0.51 r90; Mechanical 5 "AA1" at 34.717,43.465 h0.51 r90; Mechanical 5 "W1" at 34.317,43.53 h0.51 r90; Mechanical 5 "AD2" at 35.317,43.791 h0.51 r90; Mechanical 5 "AC1" at 35.117,43.458 h0.51 r90; Mechanical 5 "AE1" at 35.517,43.478 h0.51 r90; Mechanical 5 "AB2" at 34.917,43.791 h0.51 r90; Mechanical 5 "H2" at 32.117,43.871 h0.51 r90; Mechanical 5 "J1" at 32.317,43.53 h0.51 r90; Mechanical 5 "G1" at 31.917,43.53 h0.51 r90; Mechanical 5 "M2" at 32.917,43.871 h0.51 r90; Mechanical 5 "L1" at 32.717,43.51 h0.51 r90; Mechanical 5 "P2" at 33.317,43.871 h0.51 r90; Mechanical 5 "R1" at 33.517,43.543 h0.51 r90; Mechanical 5 "N1" at 33.117,43.55 h0.51 r90; Mechanical 5 "K2" at 32.517,43.871 h0.51 r90; Mechanical 5 "D2" at 31.317,43.871 h0.51 r90; Mechanical 5 "E1" at 31.517,43.55 h0.51 r90; Mechanical 5 "C1" at 31.117,43.53 h0.51 r90; Mechanical 5 "B4" at 30.716,44.53 h0.51 r90; Mechanical 5 "A5" at 30.316,44.727 h0.51 r90; Mechanical 5 "B2" at 30.73,44.146 h0.51 r90; Mechanical 5 "AK14" at 36.716,46.461 h0.51 r90; Mechanical 5 "AL13" at 37.116,46.255 h0.51 r90; Mechanical 5 "AK10" at 36.717,45.661 h0.51 r90; Mechanical 5 "AL11" at 37.116,45.855 h0.51 r90; Mechanical 5 "AK12" at 36.716,46.061 h0.51 r90; Mechanical 5 "AK8" at 36.716,45.291 h0.51 r90; Mechanical 5 "AL7" at 37.116,45.084 h0.51 r90; Mechanical 5 "AL9" at 37.116,45.455 h0.51 r90; Mechanical 5 "AL15" at 37.116,46.655 h0.51 r90; Mechanical 5 "B14" at 30.716,46.501 h0.51 r90; Mechanical 5 "A13" at 30.317,46.297 h0.51 r90; Mechanical 5 "B10" at 30.716,45.701 h0.51 r90; Mechanical 5 "B12" at 30.716,46.101 h0.51 r90; Mechanical 5 "B8" at 30.716,45.33 h0.51 r90; Mechanical 5 "A15" at 30.316,46.697 h0.51 r90; Mechanical 5 "AK24" at 36.716,48.461 h0.51 r90; Mechanical 5 "AL23" at 37.116,48.255 h0.51 r90; Mechanical 5 "AL25" at 37.116,48.655 h0.51 r90; Mechanical 5 "AK20" at 36.717,47.661 h0.51 r90; Mechanical 5 "AL21" at 37.116,47.855 h0.51 r90; Mechanical 5 "AK18" at 36.716,47.261 h0.51 r90; Mechanical 5 "AL17" at 37.116,47.055 h0.51 r90; Mechanical 5 "AL19" at 37.116,47.455 h0.51 r90; Mechanical 5 "AK22" at 36.716,48.061 h0.51 r90; Mechanical 5 "B24" at 30.716,48.501 h0.51 r90; Mechanical 5 "A23" at 30.317,48.297 h0.51 r90; Mechanical 5 "A25" at 30.316,48.697 h0.51 r90; Mechanical 5 "B20" at 30.716,47.701 h0.51 r90; Mechanical 5 "A21" at 30.317,47.897 h0.51 r90; Mechanical 5 "B18" at 30.716,47.301 h0.51 r90; Mechanical 5 "A17" at 30.316,47.097 h0.51 r90; Mechanical 5 "A19" at 30.316,47.497 h0.51 r90; Mechanical 5 "B22" at 30.716,48.101 h0.51 r90; Mechanical 5 "AL29" at 37.116,49.455 h0.51 r90; Mechanical 5 "AL27" at 37.116,49.055 h0.51 r90; Mechanical 5 "AK28" at 36.716,49.261 h0.51 r90; Mechanical 5 "AG31" at 35.917,50.321 h0.51 r90; Mechanical 5 "AJ31" at 36.317,50.321 h0.51 r90; Mechanical 5 "AK30" at 36.716,49.661 h0.51 r90; Mechanical 5 "U31" at 33.917,50.321 h0.51 r90; Mechanical 5 "AA31" at 34.717,50.321 h0.51 r90; Mechanical 5 "W31" at 34.317,50.321 h0.51 r90; Mechanical 5 "AC31" at 35.117,50.321 h0.51 r90; Mechanical 5 "AE31" at 35.517,50.321 h0.51 r90; Mechanical 5 "J31" at 32.317,50.321 h0.51 r90; Mechanical 5 "G31" at 31.917,50.321 h0.51 r90; Mechanical 5 "L31" at 32.717,50.321 h0.51 r90; Mechanical 5 "R31" at 33.517,50.321 h0.51 r90; Mechanical 5 "N31" at 33.117,50.321 h0.51 r90; Mechanical 5 "E31" at 31.517,50.321 h0.51 r90; Mechanical 5 "C31" at 31.117,50.321 h0.51 r90; Mechanical 5 "B30" at 30.716,49.701 h0.51 r90; Mechanical 5 "A27" at 30.316,49.097 h0.51 r90; Mechanical 5 "B28" at 30.716,49.301 h0.51 r90; Mechanical 5 "AF2" at 35.717,43.791 h0.51 r90; Mechanical 5 "F2" at 31.717,43.871 h0.51 r90; Mechanical 5 "T2" at 33.717,43.871 h0.51 r90; Mechanical 5 "AK6" at 36.716,44.891 h0.51 r90; Mechanical 5 "B6" at 30.716,44.93 h0.51 r90; Mechanical 5 "AK26" at 36.716,48.861 h0.51 r90; Mechanical 5 "AK16" at 36.716,46.861 h0.51 r90; Mechanical 5 "B26" at 30.716,48.901 h0.51 r90; Mechanical 5 "B16" at 30.716,46.901 h0.51 r90